# Altium PCB Urukul.PcbDoc (part 9 of 12) (continued)
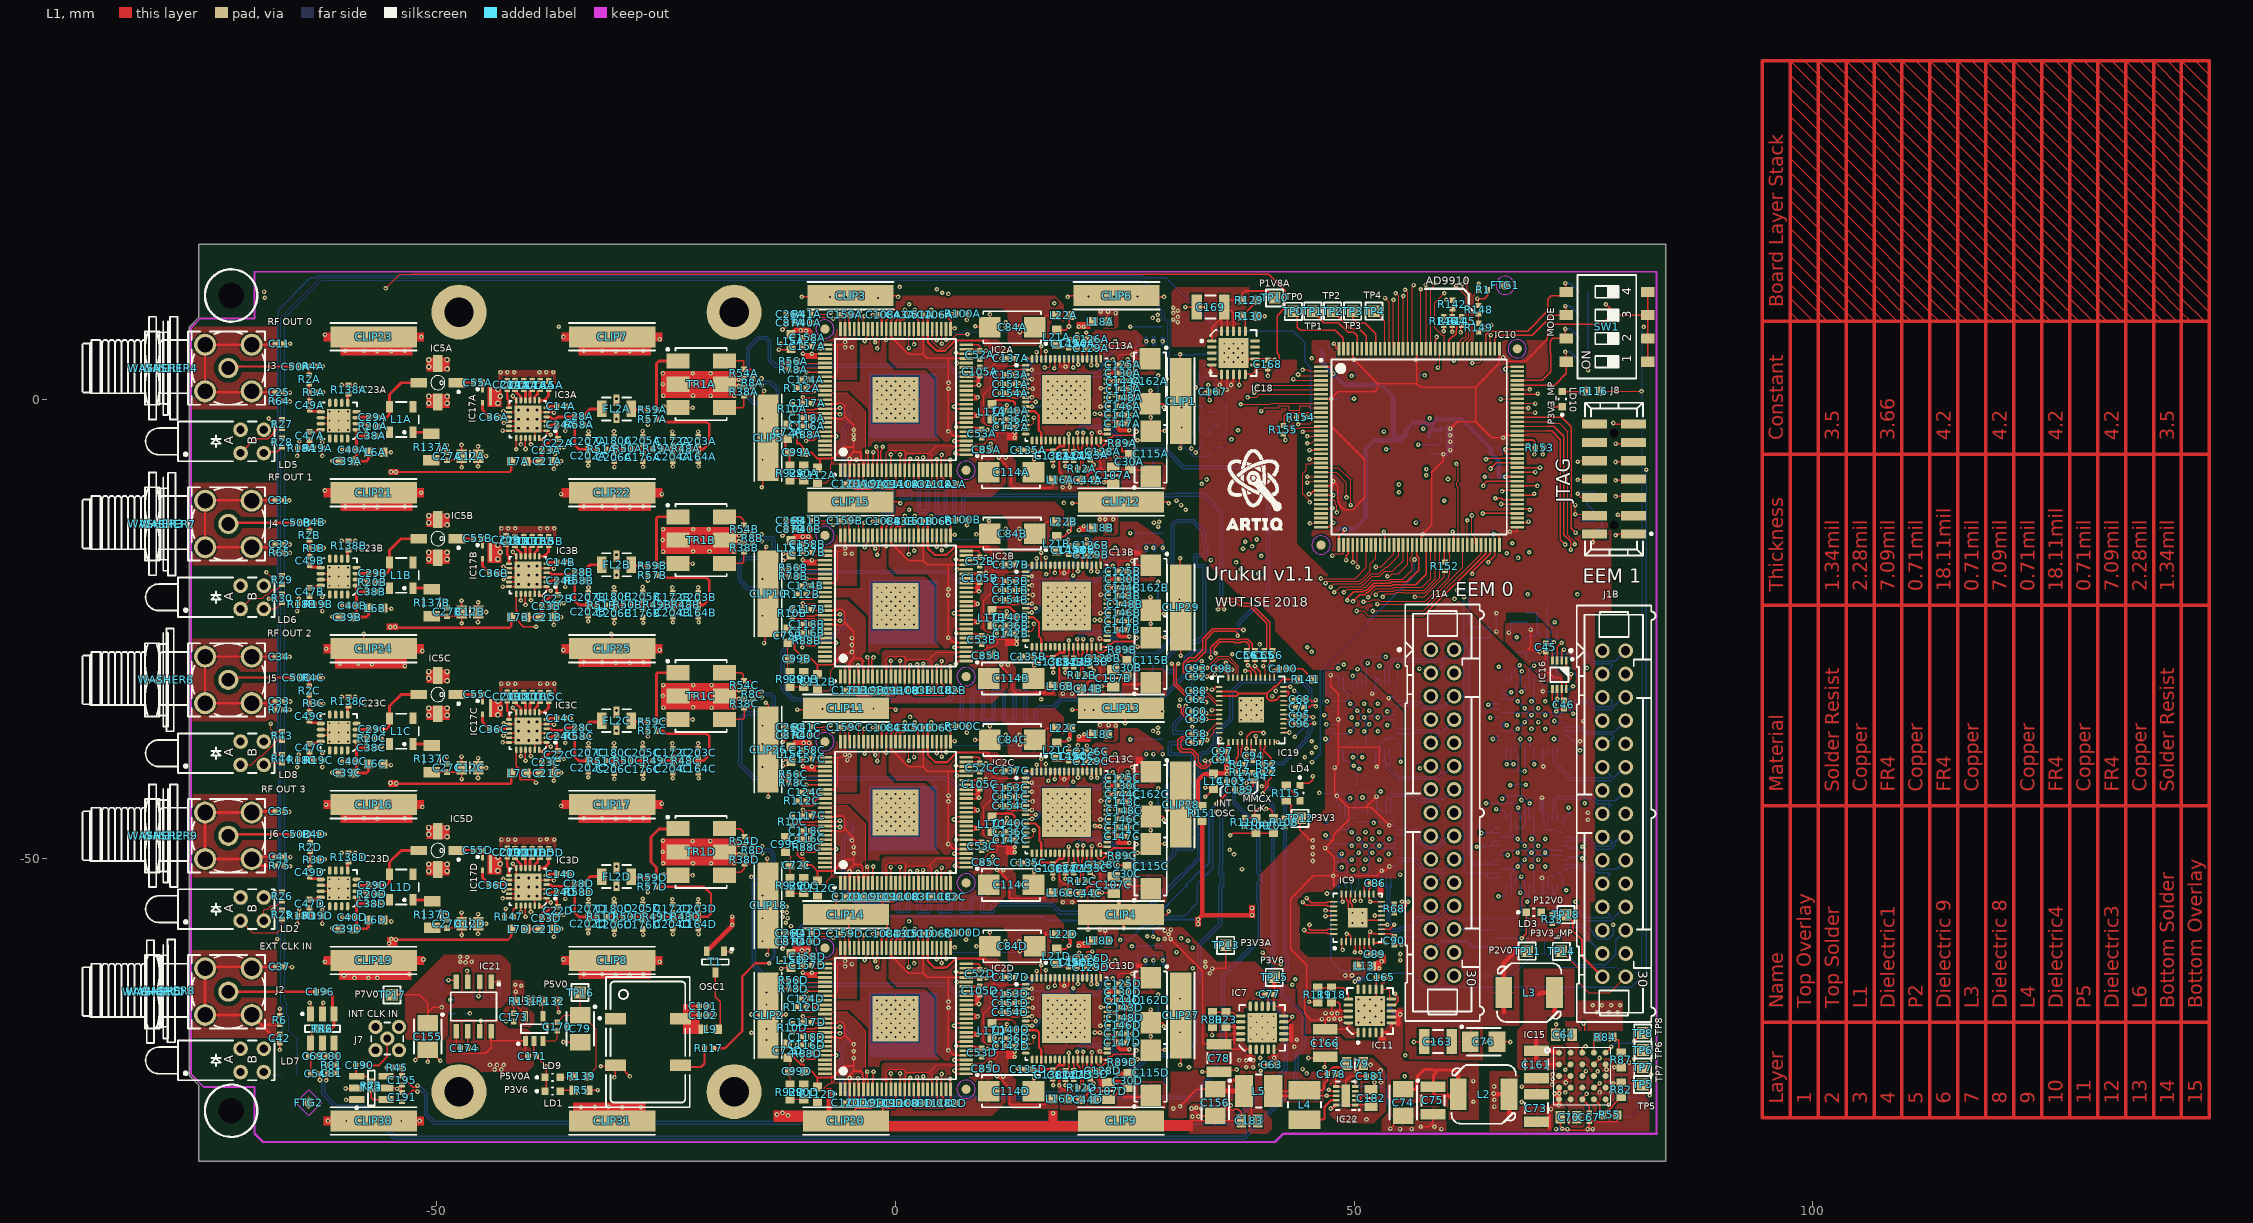
[diagram p0: L1 view]
## Nets (pads, with @x,y where several pads share a name; then routed paths per layer and width w, separated by ;. In a path a pad name is that pad's centre, name@x,y a point inside that pad or via, vN(x,y) a via of type N, cw(c..) or ccw(c..) an arc to the next point about the centre after c; other vN are vias at no path point) (continued)
  L6 w0.5: v1(50.089,-63.449) 50.381,-63.157 v1(50.508,-63.157) R150.1@51.384,-63.157
  other v1: 11.75,-73.803 11.045,-70.472 12,-59.053 27.454,-58.516 11.75,-51.303 12,-36.553 28.089,-36.113 28.623,-35.783 12.25,-28.908 11.045,-25.472 12,-14.053 28.191,-13.406 28.75,-13.303 12,-6.303 11.045,-2.972 12,8.447 30.779,8.458 30.279,8.708 28.038,8.921 30.782,9.022 28.597,9.251 30.279,9.458 30.779,9.708 30.287,10.027
P1V8D: C198.2 C199.2 C200.2 C201.2 IC10.1 IC10.37 IC10.84 IC14.5 | length 53.2
  L1 w0.254: IC10.1@46.4,3.597 47.35,3.597 47.5,3.447 47.5,3.097 v1(47.75,2.847) ; IC10.37@48.35,-15.853 48.35,-14.903 49,-14.253 v1(49,-14.153) ; v1(66.5,-8.403) IC10.84@67.8,-8.403
  L6 w0.5: C201.2@46.4,5.347 46.4,5.285 46.588,5.097 46.588,4.009 v1(47.75,2.847) 49,1.597 53,1.597 54.25,0.347 C198.2@54.25,-4.453 ; C199.2@48.35,-14.103 49,-14.103 50.05,-14.103 51.25,-12.903 51.25,-5.403 52.2,-4.453 C198.2@54.25,-4.453 ; v1(66.5,-8.403) C200.2@65.8,-8.403 65.8,-6.727 64.888,-5.815 64.888,-5.291 61.75,-2.153 59.036,-2.153 58.515,-2.674 57.995,-2.674 57.859,-2.537 56.428,-2.537 55.59,-3.375 IC14.5@55.59,-4.05 54.707,-4.05 55.11,-4.453 C198.2@54.25,-4.453
P2V0: C76.1 C163.2 C167.1 IC18.5 IC18.6 IC18.7 IC18.8 L3.2 TP11.1 | length 14.7
  L1 w0.152: v1(34.35,2.922) 34.35,3.647 IC18.5@34.5,3.797 ; C167.1@35.05,0.847 35.05,1.357 35.29,1.597 v1(35.35,1.597) 35.35,1.797 35.55,1.997 IC18.6@35.55,2.747 ; v1(36.1,1.097) 36.1,1.919 36.2,2.019 IC18.7@36.2,2.747 ; v1(36.6,1.597) 36.6,1.769 36.85,2.019 IC18.8@36.85,2.747
  L1 w0.483: 66.367,-66.822 66.325,-66.78 L3.2@66.325,-64.653 66.325,-61.428 67.6,-60.153 68.872,-60.153 TP11.1@69.025,-60.153
P3V3: C2A.2 C2B.2 C3A.2 C3B.2 C4A.2 C4B.2 C5A.2 C5B.2 C6A.2 C6B.2 C7A.2 C7B.2 C8A.2 C8B.2 C9A.2 C9B.2 C104.2 C166.2 C184.2 C185.2 C186.2 C187.2 C188.2 C192.2 C193.2 C197.2 IC1A.2 IC1A.11 IC1A.15 IC1A.16 IC1A.24 IC1A.30 IC1A.37 IC1A.45 IC1A.46 IC1B.2 IC1B.11 IC1B.15 IC1B.16 IC1B.24 IC1B.30 IC1B.37 IC1B.45 IC1B.46 IC6A.2 IC6A.11 IC6A.15 IC6A.16 IC6A.24 IC6A.30 IC6A.37 IC6A.45 IC6A.46 IC6B.2 IC6B.11 IC6B.15 IC6B.16 IC6B.24 IC6B.30 IC6B.37 IC6B.45 IC6B.46 IC10.8 IC10.27 IC10.55 IC10.73 IC10.93 IC10.109 IC10.127 IC10.141 IC11.1 IC11.18 IC11.19 IC11.20 IC14.1 IC14.3 J8.2 L8.2 L13.2 R1.1 R66.2 R67.2 R115.2 R118.2 R148.2 SW1.1 SW1.2 SW1.3 SW1.4 TP12.1 | length 296.7
  L1 w0.152: R115.2@42.6,-43.703 43.191,-44.294 43.191,-44.311 43.1,-44.403 43.1,-45.653 TP12.1@44.1,-45.653 44.1,-46.903 45.25,-48.053 v1(45.5,-48.053) ; IC10.27@46.4,-9.403 47.75,-9.403 v1(47.75,-8.903) 48.25,-9.403 48.25,-11.153 48.412,-11.315 48.412,-11.448 48.942,-11.978 49.838,-11.978 51.163,-10.653 51.163,-6.566 47.5,-2.903 v1(47.5,0.097) ; IC10.8@46.4,0.097 v1(47.5,0.097) ; v1(47.45,-30.028) 47.45,-31.253 48.261,-32.064 v1(48.261,-34.878) 48.261,-37.903 ; 47.85,-66.653 48.181,-66.653 48.435,-66.653 ; IC11.20@49.387,-67.961 49.387,-68.515 49.249,-68.653 ; IC11.19@49.387,-67.311 48.5,-67.311 v1@47.875,-67.311 ; IC11.18@49.387,-66.661 49.379,-66.653 48.435,-66.653 ; IC10.141@49.85,5.547 49.85,4.597 50,4.447 v1(50,4.347) 52.6,1.747 ; IC11.1@50.437,-69.011 49.607,-69.011 49.249,-68.653 ; v1(52.45,-43.278) 51.225,-44.503 ; v1(52.475,-40.028) 52.75,-39.753 52.75,-37.903 48.261,-37.903 ; v1(53.85,-50.903) 53.393,-51.36 v1(53,-51.36) 52.457,-51.903 v1@47.85,-51.903 ; v1(53.85,-46.403) 51.95,-44.503 51.225,-44.503 ; IC10.127@56.85,5.547 56.85,4.347 56.85,1.747 ; IC10.55@57.35,-15.853 57.35,-14.903 57.5,-14.753 v1(57.5,-14.653) 58.5,-13.653 58.5,-7.903 59.75,-6.653 v1(59.75,-5.95) ; v1(60.5,-3.153) 61.25,-2.403 63.25,-2.403 ; R148.2@63.576,10.274 63.525,10.325 63.525,11.024 64.211,11.024 64.554,11.367 R1.1@64.554,11.963 ; IC10.109@65.85,5.547 65.85,4.597 ; v1(67,-14.403) 67.75,-14.403 67.8,-14.353 IC10.73@67.8,-13.903 ; 68.7,-3.941 68.712,-3.941 68.75,-3.903 IC10.93@67.8,-3.903 66.5,-3.903 v1(66.25,-4.153) 65,-4.153 63.25,-2.403 ; v1(76.029,-15.542) 76.029,-14.849 J8.2@76.225,-14.653 ; v1(77.47,10.414) 78.033,9.851 78.033,9.212 ; SW1.1@82.03,4.132 SW1.2@82.03,6.672 82.03,7.727 82.051,7.748 82.051,9.192 SW1.3@82.03,9.212 ; SW1.4@82.03,11.752 SW1.3@82.03,9.212 ; 46.85,-67.653 47.1,-67.403 47.192,-67.311 47.25,-67.311 47.85,-67.311 v1@47.875,-67.311 ; 46.85,-67.653 46.5,-67.653 45.35,-67.653 44.622,-66.925 44.622,-65.455 44.85,-65.227 44.85,-61.653 43.1,-59.903 43.1,-54.403 45.57,-51.932 v1(47.74,-51.932) 47.74,-52.992 47.8,-53.053 47.85,-53.003 47.85,-51.932 v1@47.85,-51.903 ; 46.85,-67.653 C166.2@46.85,-68.653 49.249,-68.653 ; v1(47.5,0.097) 48.25,0.847 52.25,0.847 52.6,1.197 52.6,1.747 ; v1@47.85,-51.903 47.85,-49.903 v1(46.85,-48.903) 47.8,-47.953 47.8,-47.453 49.425,-45.828 49.425,-44.503 ; v1@47.875,-67.311 47.55,-66.986 47.55,-66.898 R118.2@47.55,-65.703 48.273,-65.703 48.435,-65.864 48.435,-66.653 ; 48.261,-37.903 48.261,-39.742 v1(47.875,-40.128) 47.875,-42.953 v1(48.125,-43.203) 49.425,-44.503 ; 49.425,-44.503 51.225,-44.503 ; 52.6,1.747 56.85,1.747 ; 56.85,1.747 57.25,1.347 63.25,1.347 ; 63.25,-2.403 63.25,1.347 ; 63.25,1.347 65.85,3.947 65.85,4.597 ; 65.85,4.597 v1(66.25,4.597) 66.639,4.208 68.707,4.208 71.086,6.586 71.086,7.515 71.779,8.208 77.029,8.208 78.033,9.212 ; 78.033,9.212 SW1.3@82.03,9.212
  L3 w0.152: v1(63.449,11.024) 76.86,11.024 v1(77.47,10.414)
  L6 w0.127: 52.5,-52.803 52.8,-52.803 53,-52.603 IC6A.15@53,-52.103 v1(53,-51.36) ; v1(64.875,-34.678) 64.9,-34.653 IC1B.30@65.9,-34.653 ; v1(65.775,-29.128) 66.363,-29.715 66.6,-29.953 IC1B.37@66.6,-30.953 ; C4A.2@70.5,-29.753 70.5,-30.263 ; IC1B.46@71.1,-30.953 71.1,-30.453 70.91,-30.263 70.5,-30.263 ; IC1B.2@72.8,-32.153 72.05,-32.153 71.7,-31.803 v1(70.6,-31.803) IC1B.45@70.6,-30.953 70.5,-30.853 70.5,-30.263
  L6 w0.152: v1(46.85,-48.903) IC6A.30@47.8,-48.903 ; v1(47.45,-30.028) C4B.2@48.05,-30.028 48.35,-30.328 IC1A.37@48.35,-31.203 ; v1(47.5,0.097) C193.2@48.4,0.097 ; v1(47.74,-51.932) 47.74,-52.642 C2B.2@48.35,-53.253 48.35,-52.253 IC6A.24@48.5,-52.103 ; v1(47.75,-8.903) 48,-9.153 48.05,-9.153 C187.2@48.35,-9.453 ; v1(47.875,-40.128) 48.35,-39.653 48.35,-39.278 IC1A.24@48.35,-38.103 ; v1(48.125,-43.203) 48.125,-43.903 C3B.2@48.225,-44.003 ; C3B.2@48.475,-44.003 48.5,-44.028 IC6A.37@48.5,-45.203 ; v1(50,4.347) 50,3.847 50.05,3.847 C192.2@50.35,3.547 ; v1(51.98,-32.055) 52.007,-32.028 52.007,-31.881 52.35,-31.537 IC1A.45@52.35,-31.203 C3A.2@52.35,-30.178 ; C3A.2@52.275,-29.978 52.275,-30.103 C3A.2@52.35,-30.178 ; C7A.2@52.325,-53.303 52.5,-53.128 52.5,-52.803 IC6A.16@52.5,-52.103 ; IC1A.16@52.35,-38.103 52.35,-38.803 ; v1(52.45,-43.278) 52.5,-43.328 52.5,-44.003 52.5,-44.678 ; v1(52.475,-40.028) 52.35,-39.903 52.35,-38.803 ; IC6A.45@52.5,-45.203 52.5,-44.678 ; IC1A.46@52.85,-31.203 52.85,-30.678 C3A.2@52.35,-30.178 ; IC6A.46@53,-45.203 53,-44.928 52.75,-44.678 52.5,-44.678 ; v1(53.778,-32.542) 53.748,-32.542 53.763,-32.527 53.888,-32.403 IC1A.2@54.55,-32.403 ; v1(53.85,-50.903) IC6A.11@54.7,-50.903 ; v1(53.85,-46.403) IC6A.2@54.7,-46.403 ; IC1A.11@54.55,-36.903 53.55,-36.903 53.175,-37.278 53,-37.278 52.85,-37.428 IC1A.15@52.85,-38.103 52.85,-38.578 52.625,-38.803 52.35,-38.803 ; v1(56.75,4.347) 56.75,3.647 C188.2@56.85,3.547 ; C104.2@57.426,-14.008 57.5,-14.082 v1(57.5,-14.653) ; IC14.3@58.19,-5.95 v1(59.75,-5.95) ; C197.2@59.5,-3.203 59.55,-3.153 v1(60.5,-3.153) ; v1(65.5,-44.653) 65.625,-44.778 C6A.2@66.25,-44.778 66.6,-45.128 IC6B.37@66.6,-45.953 ; v1(65.529,-25.292) 65.487,-25.25 L8.2@65.487,-24.294 65.487,-23.334 v1(65.529,-23.292) ; C186.2@65.6,-4.203 66.2,-4.203 v1(66.25,-4.153) ; v1(65.75,-54.153) 66.225,-54.153 C7B.2@66.35,-54.028 66.6,-53.778 IC6B.24@66.6,-52.853 ; C184.2@65.85,4.047 65.85,4.197 v1(66.25,4.597) ; IC6B.30@65.9,-49.653 v1(66.75,-49.653) ; C185.2@66.05,-13.903 66.128,-13.981 66.49,-14.343 67,-14.343 v1(67,-14.403) ; IC1B.24@66.6,-37.853 66.6,-39.053 66.6,-39.71 v1(66.64,-39.75) ; C8B.2@70.475,-54.078 C8B.2@70.6,-53.953 ; C6B.2@70.475,-44.778 71.1,-45.403 IC6B.46@71.1,-45.953 ; v1@70.475,-43.428 v1(70.5,-43.403) ; v1(70.5,-52.153) 70.5,-52.103 70.6,-52.003 70.6,-52.153 IC6B.16@70.6,-52.853 C8B.2@70.6,-53.953 ; C6B.2@70.6,-45.003 IC6B.45@70.6,-45.953 70.75,-46.103 70.75,-46.653 71,-46.903 72,-46.903 72.138,-47.04 72.138,-47.153 IC6B.2@72.8,-47.153 ; IC1B.16@70.6,-37.853 70.6,-38.593 ; v1(70.64,-40) 70.55,-39.91 C2A.2@70.55,-39.053 70.6,-39.003 70.6,-38.593 ; IC1B.15@71.1,-37.853 71.1,-38.46 70.912,-38.648 70.912,-38.728 70.735,-38.728 70.6,-38.593 ; IC6B.11@72.8,-51.653 72.138,-51.653 71.888,-51.903 71.25,-51.903 71.1,-52.053 IC6B.15@71.1,-52.853 71.1,-53.453 C8B.2@70.6,-53.953 ; IC1B.11@72.8,-36.653 73.293,-36.653 73.89,-37.25 73.975,-37.25 v1(74.64,-37.25) ; R67.2@75.38,-10.653 75.38,-11.393 76.651,-12.665 76.754,-12.665 77.029,-12.939 77.029,-13.823 76.86,-13.992 76.86,-14.123 R66.2@76.35,-14.123 75.919,-14.554 76.029,-14.664 v1(76.029,-15.542)
  L6 w0.483: C6B.2@70.475,-44.778 v1@70.475,-43.428
  L6 w0.5: IC14.1@58.19,-4.05 58.19,-3.55 58.439,-3.301 59.402,-3.301 C197.2@59.5,-3.203 ; v1(59.75,-5.95) 60.047,-5.95 v1(60.5,-5.497) v1(60.5,-4.567) 60.5,-3.881 v1(60.5,-3.153)
  other v1: 46.5,-67.553 47.25,-67.553 48.5,-67.553 47.85,-67.508 48.181,-66.924 46.885,-66.898 47.571,-66.898 49.029,-62.792 49.779,-62.792 45.5,-50.303 45.5,-49.553 45.5,-48.803 75.5,-45.803 75.5,-45.053 75,-35.053 60.474,-3.881
P3V3_CLK1: C86.2 C89.2 C90.2 IC9.1 IC9.7 IC9.9 IC9.13 IC9.16 IC9.18 IC9.19 L13.1 R150.2 | length 16.6
  L1 w0.152: IC9.1@48.64,-59.1 48.64,-59.89 v1(48.75,-60) ; IC9.19@51.14,-53.9 51.14,-52.86 51.255,-52.745 C86.2@51.836,-52.745 51.836,-53.255 51.677,-53.255 51.64,-53.292 IC9.18@51.64,-53.9 51.64,-54.508 51.75,-54.618 v1(51.75,-54.75) IC9.16@52.99,-54.75 ; L13.1@51.94,-61.75 52,-61.75 52.5,-61.25 v1(53,-61.25) ; v1(52.25,-56.25) IC9.13@52.99,-56.25 ; v1(52.75,-62) 52.75,-61.5 v1(53,-61.25) ; 53.5,-58.25 53.598,-58.25 ; C90.2@54.39,-58.55 54.09,-58.25 53.598,-58.25 ; v1(53,-61.25) 53.25,-61 53.25,-60.493 53.235,-60.478 C89.2@52.725,-60.478 52.725,-60.471 52.219,-59.965 51.896,-59.965 51.64,-59.708 IC9.7@51.64,-59.1 51.64,-58.11 v1(51.75,-58) 52,-58.25 IC9.9@52.99,-58.25 53.598,-58.25
P3V3_CLK2: C13.2 C45.2 C46.2 IC4.7 IC16.7 L8.1 R36.2 | length 17.4
  L1 w0.152: v1(69.25,-25.078) 69.25,-26.94 68.94,-27.25 70.01,-27.25 v1(70.263,-27.503) C45.2@70.837,-27.503 ; C45.2@70.89,-27.45 C45.2@70.837,-27.503 ; C46.2@72.89,-32.8 72.64,-32.55 IC16.7@72.64,-31.55 72.64,-30.538 72.405,-30.303 71.825,-30.303 71.3,-29.778 71.075,-29.778 70.837,-29.54 C45.2@70.837,-27.503
  L6 w0.152: v1(66.887,-25.394) 67.087,-25.194 L8.1@67.087,-24.294 68.654,-24.294 R36.2@68.75,-24.198 69.25,-24.698 v1(69.25,-25.078) ; C13.2@69.6,-27.503 v1(70.263,-27.503) 70.925,-27.503 71.05,-27.628 IC4.7@71.05,-28.603
P3V3_DAC_VDDA: C124A.2 C125A.2 C126A.2 C129A.2 C130A.2 C157A.2 C158A.2 C159A.2 C162A.1 IC2A.74 IC2A.75 IC2A.76 IC2A.77 IC2A.83 IC13A.46 IC13A.47 IC13A.49 L15A.1 R96A.2 R97A.2 R98A.2 R99A.2 | length 65.5
  L1 w0.127: L15A.1@-11.4,7.147 -10.998,7.549 -10.975,7.572 -10.35,7.572 -9.75,7.572 -9.525,7.572 -9.502,7.549 -9.249,7.296 -9.213,7.26 -9.2,7.26 -9.2,6.762 C158A.2@-9.2,6.75 C157A.2@-9.2,5.85 ; C124A.2@-9.33,2.197 -9.027,2.5 IC2A.83@-7.7,2.5 -6.75,2.5 -6.275,2.975 -6.275,5.925 -6.2,6 ; IC2A.77@-7.7,5.5 -8.803,5.5 -9.153,5.85 C157A.2@-9.2,5.85 ; IC2A.75@-6,7.7 -6,9.25 C159A.2@-5.975,9.275 -5.971,9.275 -5.5,8.804 IC2A.74@-5.5,7.7 v1(-5.5,6.297) -5.797,6 -6.2,6 ; C126A.2@21.74,6.6 C129A.2@21.74,5.597 21.965,5.372 22.3,5.372 ; v1@22.357,5.776 22.357,5.43 22.3,5.372 ; IC13A.49@22.39,4.45 22.35,4.49 22.35,5.322 22.3,5.372 ; v1@22.466,5.884 24.141,5.884 24.329,6.072 25.549,6.072 26.251,5.37 26.897,5.37 27.784,4.484 27.82,4.447 27.75,4.447 26.283,4.447 25.813,4.917 25.777,4.953 24.492,4.953 24.34,4.801 C125A.2@24.34,3.797 23.89,3.347 ; IC13A.46@23.09,2.75 23.727,2.75 23.75,2.773 23.75,2.897 C130A.2@24.34,2.897 23.89,3.347 ; IC13A.47@23.09,3.25 23.79,3.25 23.889,3.349 23.89,3.347 ; C157A.2@-9.2,5.85 -9.05,6 IC2A.76@-7.7,6 -6.2,6
  L1 w0.483: L15A.1@-10.998,7.549 v1(-10.35,7.549) -9.75,7.549 -9.502,7.549 -9.427,7.549 -9.249,7.371 -9.249,7.296 -9.249,6.762 -9.2,6.762 C158A.2@-8.919,6.762
  L6 w0.127: v1(-5.5,6.297) -4.361,7.436 6.128,7.436 6.257,7.307 7.352,7.307 7.652,7.607 8.038,7.607 8.237,7.408 12.944,7.408 ; 20.599,6.84 20.649,6.84 20.682,6.807 21.543,6.807 v1(22.438,5.912) ; v1(25.803,4.907) R97A.2@26.425,4.907 27.327,4.907 28.216,4.907 R98A.2@29.125,4.907
  other v1: -5.5,5.697 -4.75,5.697 22.433,6.447 -9.75,7.522
P3V3_DAC_VDDB: C124B.2 C125B.2 C126B.2 C129B.2 C130B.2 C157B.2 C158B.2 C159B.2 C162B.1 IC2B.74 IC2B.75 IC2B.76 IC2B.77 IC2B.83 IC13B.46 IC13B.47 IC13B.49 L15B.1 R96B.2 R97B.2 R98B.2 R99B.2 | length 71.6
  L1 w0.127: C124B.2@-9.33,-20.303 -9.027,-20 IC2B.83@-7.7,-20 -6.75,-20 -6.275,-19.525 -6.275,-16.575 -6.2,-16.5 ; C158B.2@-9.213,-15.812 -9.213,-15.75 C158B.2@-9.213,-15.497 ; C158B.2@-9.2,-15.75 C157B.2@-9.2,-16.65 ; IC2B.77@-7.7,-17 -8.803,-17 -9.153,-16.65 C157B.2@-9.2,-16.65 ; IC2B.75@-6,-14.8 -6,-13.25 C159B.2@-5.975,-13.225 -5.975,-13.328 -5.5,-13.803 IC2B.74@-5.5,-14.8 v1(-5.5,-16.203) -5.797,-16.5 -6.2,-16.5 ; C126B.2@21.74,-15.9 C129B.2@21.74,-16.903 21.965,-17.128 22.3,-17.128 ; IC13B.49@22.39,-18.05 22.35,-18.01 22.35,-17.178 22.3,-17.128 ; IC13B.46@23.09,-19.75 23.727,-19.75 23.75,-19.727 23.75,-19.603 C130B.2@24.34,-19.603 23.89,-19.153 ; IC13B.47@23.09,-19.25 23.79,-19.25 23.889,-19.151 23.89,-19.153 ; C157B.2@-9.2,-16.65 -9.05,-16.5 IC2B.76@-7.7,-16.5 -6.2,-16.5 ; 22.3,-17.128 v1(22.812,-16.615) 24.141,-16.615 24.329,-16.428 26.195,-16.428 C162B.1@27.82,-18.053 26.283,-18.053 25.813,-17.582 25.777,-17.547 24.492,-17.547 24.34,-17.699 C125B.2@24.34,-18.703 23.89,-19.153
  L1 w0.483: L15B.1@-11.4,-15.353 -10.975,-14.928 v1(-10.1,-14.928) v1(-9.525,-14.928) -9.213,-15.24 -9.2,-15.24 C158B.2@-9.2,-15.75
  L6 w0.127: v1(-5.5,-16.203) -4.416,-15.119 6.183,-15.119 6.257,-15.193 12.843,-15.193 13.367,-14.668 13.753,-14.668 13.907,-14.823 20.622,-14.823 20.682,-14.762 21.068,-14.762 21.341,-15.035 21.341,-15.144 v1(22.812,-16.615) ; v1(25.803,-17.593) 26.413,-17.593 27.327,-17.593 28.242,-17.593 R98B.2@29.125,-17.593
  other v1: -5.5,-16.803 -4.75,-16.803 22.878,-16.005
P3V3_DAC_VDDC: C124C.2 C125C.2 C126C.2 C129C.2 C130C.2 C157C.2 C158C.2 C159C.2 C162C.1 IC2C.74 IC2C.75 IC2C.76 IC2C.77 IC2C.83 IC13C.46 IC13C.47 IC13C.49 L15C.1 R96C.2 R97C.2 R98C.2 R99C.2 | length 70.9
  L1 w0.127: C124C.2@-9.33,-42.803 -9.027,-42.5 IC2C.83@-7.7,-42.5 -6.75,-42.5 -6.275,-42.025 -6.275,-39.075 -6.2,-39 ; C158C.2@-9.2,-38.25 C157C.2@-9.2,-39.15 ; IC2C.77@-7.7,-39.5 -8.803,-39.5 -9.153,-39.15 C157C.2@-9.2,-39.15 ; IC2C.75@-6,-37.3 -6,-35.75 C159C.2@-5.975,-35.725 -5.975,-35.828 -5.5,-36.303 IC2C.74@-5.5,-37.3 v1(-5.5,-38.703) -5.797,-39 -6.2,-39 ; C126C.2@21.74,-38.4 C129C.2@21.74,-39.403 21.965,-39.628 22.3,-39.628 ; IC13C.49@22.39,-40.55 22.35,-40.51 22.35,-39.678 22.3,-39.628 ; v1@22.812,-39.115 22.3,-39.628 ; v1@22.878,-39.115 24.141,-39.115 24.329,-38.928 26.195,-38.928 C162C.1@27.82,-40.553 26.283,-40.553 25.813,-40.083 25.777,-40.047 24.492,-40.047 24.34,-40.199 C125C.2@24.34,-41.203 23.89,-41.653 ; IC13C.46@23.09,-42.25 23.727,-42.25 23.75,-42.227 23.75,-42.103 C130C.2@24.34,-42.103 23.89,-41.653 ; IC13C.47@23.09,-41.75 23.79,-41.75 23.889,-41.651 23.89,-41.653 ; C157C.2@-9.2,-39.15 -9.05,-39 IC2C.76@-7.7,-39 -6.2,-39
  L1 w0.483: L15C.1@-11.4,-37.853 -10.982,-37.434 -10.025,-37.434 v1(-9.427,-37.434) -9.223,-37.637 C158C.2@-9.223,-38.095
  L6 w0.127: v1(-5.5,-38.703) -4.497,-37.7 12.967,-37.7 13.367,-38.099 13.753,-38.099 14.153,-37.7 17.307,-37.7 18.274,-38.667 21.347,-38.667 21.854,-39.173 v1(22.878,-39.173) ; v1(25.803,-40.093) 26.413,-40.093 27.327,-40.093 28.242,-40.093 R98C.2@29.125,-40.093
  other v1: -5.25,-39.303 -5,-38.803 22.822,-38.553 -10.025,-37.428
P3V3_DAC_VDDD: C124D.2 C125D.2 C126D.2 C129D.2 C130D.2 C157D.2 C158D.2 C159D.2 C162D.1 IC2D.74 IC2D.75 IC2D.76 IC2D.77 IC2D.83 IC13D.46 IC13D.47 IC13D.49 L15D.1 R96D.2 R97D.2 R98D.2 R99D.2 | length 73
  L1 w0.127: L15D.1@-11.4,-60.353 -11.11,-60.063 -10.975,-59.928 -10.2,-59.928 -9.582,-59.928 -9.525,-59.928 -9.486,-59.967 -9.213,-60.24 -9.2,-60.24 -9.2,-60.65 C158D.2@-9.2,-60.75 C157D.2@-9.2,-61.65 ; C124D.2@-9.33,-65.303 -9.027,-65 IC2D.83@-7.7,-65 -6.75,-65 -6.275,-64.525 -6.275,-61.575 -6.2,-61.5 ; IC2D.77@-7.7,-62 -8.803,-62 -9.153,-61.65 C157D.2@-9.2,-61.65 ; IC2D.75@-6,-59.8 -6,-58.25 C159D.2@-5.975,-58.225 -5.975,-58.328 -5.5,-58.803 IC2D.74@-5.5,-59.8 v1(-5.5,-61.203) -5.797,-61.5 -6.2,-61.5 ; C126D.2@21.74,-60.9 C129D.2@21.74,-61.903 21.965,-62.128 22.3,-62.128 ; IC13D.49@22.39,-63.05 22.35,-63.01 22.35,-62.178 22.3,-62.128 ; IC13D.46@23.09,-64.75 23.727,-64.75 23.75,-64.727 23.75,-64.603 C130D.2@24.34,-64.603 23.89,-64.153 ; IC13D.47@23.09,-64.25 23.793,-64.25 23.89,-64.153 ; C157D.2@-9.2,-61.65 -9.05,-61.5 IC2D.76@-7.7,-61.5 -6.2,-61.5 ; 22.3,-62.128 v1(22.812,-61.616) 24.141,-61.616 24.329,-61.428 26.195,-61.428 C162D.1@27.82,-63.053 26.283,-63.053 25.813,-62.583 25.777,-62.547 24.492,-62.547 24.34,-62.699 C125D.2@24.34,-63.703 23.89,-64.153
  L1 w0.5: L15D.1@-11.11,-60.063 -10.2,-60.063 v1(-9.582,-60.063) -9.405,-60.24 ; C158D.2@-9.249,-60.65 -9.2,-60.65 -8.995,-60.65 C158D.2@-8.919,-60.726
  L6 w0.127: v1(-5.5,-61.203) -4.578,-60.28 13.048,-60.28 13.367,-60.6 13.753,-60.6 14.072,-60.28 18.857,-60.28 19.629,-61.053 22.249,-61.053 v1(22.812,-61.616) ; v1(25.803,-62.593) 26.413,-62.593 27.327,-62.593 28.216,-62.593 R98D.2@29.125,-62.593
  other v1: -5.5,-61.803 -4.75,-61.553 23.2,-61.228 -10.2,-60.053
P3V3_DRVA: C85A.2 C105A.2 C106A.2 C108A.2 C109A.2 C110A.2 C111A.2 C114A.1 C137A.2 C141A.2 C142A.2 IC2A.11 IC2A.15 IC2A.21 IC2A.28 IC2A.45 IC2A.56 IC2A.66 IC13A.1 IC13A.14 IC13A.37 L18A.1 | length 86.8
  L1 w0.127: v1(-2.467,9.246) v1(-2.467,9.246) C108A.2@-1.725,9.247 ; C109A.2@-0.6,-9.225 -0.875,-8.95 -0.875,-8.749 -1,-8.624 IC2A.11@-1,-7.7 -1,-5.801 -0.698,-5.499 0.897,-5.499 1.111,-5.714 1.111,-5.953 ; C110A.2@1.2,-9.225 1.025,-9.05 1.025,-7.725 IC2A.15@1,-7.7 1.111,-7.589 1.111,-5.953 ; v1(3.883,9.804) 3.9,9.787 C106A.2@3.9,9.247 ; C111A.2@3.9,-9.2 4,-9.1 IC2A.21@4,-7.7 4,-6.128 3.697,-5.824 ; IC2A.45@7.7,3.5 C105A.2@9.175,3.5 9.753,3.5 9.85,3.597 10.425,3.597 ; 9.427,-4.929 9.427,-4.926 9.574,-4.926 10.159,-4.341 10.566,-4.341 10.689,-4.464 10.696,-4.464 11.15,-4.01 11.15,-3.603 ; 9.95,6.447 10.7,5.697 10.7,3.872 ; C114A.1@10.145,-7.899 9.427,-7.182 C85A.2@9.427,-5.436 8.867,-5.436 8.695,-5.264 8.811,-5.149 8.811,-5 IC2A.28@7.7,-5 7.684,-5.016 4.68,-5.016 4.665,-5 4.521,-5 3.697,-5.824 ; C137A.2@13,4.522 13,3.897 ; IC13A.1@14.19,3.75 13.097,3.75 13,3.847 13,3.897 ; v1(15.084,-1.956) 15.084,-2.489 14.827,-2.746 14.827,-2.75 IC13A.14@14.19,-2.75 13.087,-2.75 12.994,-2.843 C142A.2@12.994,-2.997 12.994,-3.599 v1(12.99,-3.603) 11.15,-3.603 ; 22.453,-1.75 IC13A.37@23.09,-1.75 24.243,-1.75 24.32,-1.673 C141A.2@24.34,-1.653 ; 1.111,-5.953 1.24,-5.824 3.697,-5.824 ; 10.425,3.597 10.425,1.437 9.598,0.61 9.598,-2.461 9.931,-2.794 10.341,-2.794 10.58,-3.032 10.58,-3.165 11.018,-3.603 11.15,-3.603 ; 10.425,3.597 10.7,3.872 ; 10.7,3.872 10.85,3.722 12.825,3.722 13,3.897
  L1 w0.203: v1(20.529,7.958) 20.798,7.958 20.864,7.893 20.932,7.893 L18A.1@21.548,8.509 ; v1(22.298,-1.524) 22.38,-1.524 22.577,-1.722 22.908,-1.722 IC13A.37@22.933,-1.747
  L1 w0.254: v1(-2.467,9.246) -1.727,9.246 C108A.2@-1.725,9.247 -1.5,9.022 IC2A.66@-1.5,7.7 ; C106A.2@3.66,8.977 3.645,8.992 3.59,9.048 3.553,9.048 3.539,9.034 3.539,8.832 3.506,8.799 3.512,8.793 3.512,7.712 IC2A.56@3.5,7.7 3.5,6.292 4.464,5.328 5.376,5.328 6.289,6.241 6.289,6.259 6.478,6.447 9.95,6.447
  L3 w0.203: v1@20.52,7.879 20.313,7.672 20.313,6.523 20.354,6.482 20.354,4.134 20.439,4.048 20.439,3.631 20.354,3.546 20.354,3.383 21.279,2.458 21.279,-0.505 v1(22.298,-1.524)
  L4 w0.406: v1(-2.467,9.246) -2.464,9.242 3.32,9.242 v1(3.883,9.804)
  other v1: 13,-4.153 21.714,-1.544 20,7.947
P3V3_DRVB: C85B.2 C105B.2 C106B.2 C108B.2 C109B.2 C110B.2 C111B.2 C114B.1 C137B.2 C141B.2 C142B.2 IC2B.11 IC2B.15 IC2B.21 IC2B.28 IC2B.45 IC2B.56 IC2B.66 IC13B.1 IC13B.14 IC13B.37 L18B.1 | length 86.2
  L1 w0.127: v1(-2.467,-13.254) -2.466,-13.253 v1@-2.34,-13.253 ; C109B.2@-0.6,-31.725 -0.875,-31.45 -0.875,-31.33 -1,-31.205 IC2B.11@-1,-30.2 -1,-28.301 -0.698,-27.999 0.897,-27.999 1.111,-28.214 1.111,-28.453 ; C110B.2@1.2,-31.725 1.025,-31.55 1.025,-30.225 IC2B.15@1,-30.2 1.111,-30.089 1.111,-28.453 ; v1(3.883,-12.696) 3.9,-12.713 C106B.2@3.9,-13.253 ; C111B.2@3.9,-31.7 4,-31.6 IC2B.21@4,-30.2 4,-28.628 3.697,-28.324 ; IC2B.45@7.7,-19 C105B.2@9.175,-19 9.753,-19 v1(9.85,-18.903) 10.425,-18.903 ; 10.063,-16.166 10.7,-16.803 10.7,-18.628 ; C114B.1@10.145,-30.399 9.427,-29.682 C85B.2@9.427,-27.936 9.427,-27.426 ; C137B.2@13,-17.978 13,-18.603 ; v1(13.225,-26.103) v1@12.99,-26.103 ; IC13B.1@14.19,-18.75 13.097,-18.75 13,-18.653 13,-18.603 ; v1(15.084,-24.456) 15.084,-24.989 14.827,-25.246 14.827,-25.25 IC13B.14@14.19,-25.25 13.087,-25.25 12.994,-25.343 C142B.2@12.994,-25.497 12.994,-26.099 v1@12.99,-26.103 ; 22.453,-24.25 IC13B.37@23.09,-24.25 24.243,-24.25 24.32,-24.173 C141B.2@24.34,-24.153 ; 1.111,-28.453 1.24,-28.324 3.697,-28.324 ; 3.697,-28.324 4.521,-27.5 4.665,-27.5 4.68,-27.516 7.684,-27.516 IC2B.28@7.7,-27.5 8.96,-27.5 8.885,-27.426 9.427,-27.426 ; 9.427,-27.426 9.574,-27.426 9.99,-27.01 10.65,-27.01 11.15,-26.51 11.15,-26.103 ; 10.425,-18.903 10.7,-18.628 ; 10.425,-18.903 10.425,-21.063 9.598,-21.89 9.598,-24.961 9.931,-25.294 10.341,-25.294 10.58,-25.532 10.58,-25.665 11.018,-26.103 11.15,-26.103 ; 10.7,-18.628 10.85,-18.778 12.825,-18.778 13,-18.603 ; 11.15,-26.103 v1@12.99,-26.103
  L1 w0.203: v1(20.528,-13.792) 21.247,-13.792 21.497,-14.042 L18B.1@21.548,-13.991
  L1 w0.254: v1@-2.34,-13.253 C108B.2@-1.725,-13.253 -1.5,-13.478 IC2B.66@-1.5,-14.8 ; C106B.2@3.9,-13.253 3.7,-13.453 3.7,-13.513 3.5,-13.713 IC2B.56@3.5,-14.8 3.5,-16.164 4.268,-16.932 5.259,-16.932 5.285,-16.906 5.597,-16.906 6.45,-16.053 10.137,-16.053 10.157,-16.073
  L3 w0.203: 20.529,-14.042 20.529,-14.687 20.251,-14.965 20.251,-17.514 20.779,-18.042 20.779,-19.292 21.529,-20.042 21.529,-23.524 21.871,-23.866 22.029,-24.024 v1(22.298,-24.024)
  L4 w0.406: v1(-2.467,-13.254) -2.464,-13.258 3.32,-13.258 v1(3.883,-12.696)
  other v1: 13.205,-26.639 21.714,-24.023 20,-14.228
P3V3_DRVC: C85C.2 C105C.2 C106C.2 C108C.2 C109C.2 C110C.2 C111C.2 C114C.1 C137C.2 C141C.2 C142C.2 IC2C.11 IC2C.15 IC2C.21 IC2C.28 IC2C.45 IC2C.56 IC2C.66 IC13C.1 IC13C.14 IC13C.37 L18C.1 | length 87.9
  L1 w0.127: v1(-2.467,-35.754) -2.466,-35.753 C108C.2@-1.725,-35.753 ; C109C.2@-0.6,-54.225 -0.994,-53.831 -0.994,-53.432 -1,-53.426 IC2C.11@-1,-52.7 -1,-50.801 -0.698,-50.499 0.897,-50.499 1.111,-50.714 1.111,-50.953 ; C110C.2@1.2,-54.225 1.025,-54.05 1.025,-52.725 IC2C.15@1,-52.7 1.111,-52.589 1.111,-50.953 ; v1(3.883,-35.196) 3.9,-35.213 C106C.2@3.9,-35.753 ; C111C.2@3.9,-54.2 4,-54.1 IC2C.21@4,-52.7 4,-51.128 3.697,-50.824 ; IC2C.45@7.7,-41.5 C105C.2@9.175,-41.5 9.753,-41.5 v1(9.85,-41.403) 10.425,-41.403 ; 10.104,-38.706 10.7,-39.303 10.7,-41.128 ; C114C.1@10.145,-52.899 9.427,-52.182 C85C.2@9.427,-50.436 ; 11.15,-48.603 11.018,-48.603 10.58,-48.165 10.58,-48.032 10.341,-47.794 9.931,-47.794 9.598,-47.461 9.598,-44.39 10.425,-43.563 10.425,-41.403 ; v1(13,-48.803) 12.127,-48.803 12.036,-48.712 ; C137C.2@13,-40.478 13,-41.103 ; IC13C.1@14.19,-41.25 13.097,-41.25 13,-41.153 13,-41.103 ; v1(15.084,-46.956) 15.084,-47.489 14.827,-47.746 14.827,-47.75 IC13C.14@14.19,-47.75 13.087,-47.75 12.994,-47.843 C142C.2@12.994,-47.997 12.994,-48.599 12.881,-48.712 12.036,-48.712 ; v1(20.58,-36.491) L18C.1@21.548,-36.491 ; 22.453,-46.75 IC13C.37@23.09,-46.75 24.243,-46.75 C141C.2@24.34,-46.653 ; 1.111,-50.953 1.24,-50.824 3.697,-50.824 ; 3.697,-50.824 4.521,-50 4.665,-50 4.68,-50.016 7.684,-50.016 IC2C.28@7.7,-50 8.96,-50 8.976,-49.984 C85C.2@9.427,-50.436 ; C85C.2@9.427,-50.436 9.427,-49.926 9.705,-49.926 10.281,-49.35 10.81,-49.35 11.15,-49.01 11.15,-48.712 12.036,-48.712 ; 10.425,-41.403 10.7,-41.128 ; 10.7,-41.128 10.85,-41.278 12.825,-41.278 13,-41.103
  L1 w0.254: v1(-2.467,-35.754) -1.727,-35.754 C108C.2@-1.725,-35.753 -1.5,-35.978 IC2C.66@-1.5,-37.3 ; C106C.2@3.9,-35.753 3.9,-35.91 3.5,-36.31 IC2C.56@3.5,-37.3 3.5,-38.713 4.329,-39.542 5.61,-39.542 6.677,-38.476 8.984,-38.476 8.99,-38.482 10.036,-38.482 10.182,-38.628
  L3 w0.127: v1(20.58,-36.491) 20.58,-36.774 21.341,-37.535 21.341,-40.554 20.859,-41.035 20.859,-41.42 21.529,-42.09 21.529,-46.042 22.011,-46.524 v1(22.298,-46.524)
  L4 w0.406: v1(-2.467,-35.754) -2.464,-35.758 3.32,-35.758 v1(3.883,-35.196)
  other v1: 13,-49.353 21.725,-46.478 20.02,-36.708
P3V3_DRVD: C85D.2 C105D.2 C106D.2 C108D.2 C109D.2 C110D.2 C111D.2 C114D.1 C137D.2 C141D.2 C142D.2 IC2D.11 IC2D.15 IC2D.21 IC2D.28 IC2D.45 IC2D.56 IC2D.66 IC13D.1 IC13D.14 IC13D.37 L18D.1 | length 85.4
  L1 w0.127: v1(-2.467,-58.254) v1(-2.467,-58.254) ; C109D.2@-0.6,-76.725 -0.875,-76.45 -0.875,-76.288 -1,-76.163 IC2D.11@-1,-75.2 -1,-73.301 -0.698,-72.999 0.897,-72.999 1.111,-73.214 1.111,-73.453 ; C110D.2@1.2,-76.725 1.025,-76.55 1.025,-75.225 IC2D.15@1,-75.2 1.111,-75.089 1.111,-73.453 ; v1(3.883,-57.696) 3.9,-57.713 C106D.2@3.9,-58.253 C106D.2@3.9,-58.321 ; C111D.2@3.9,-76.7 4,-76.6 IC2D.21@4,-75.2 4,-73.628 3.697,-73.324 ; IC2D.45@7.7,-64 C105D.2@9.175,-64 9.753,-64 9.85,-63.903 10.425,-63.903 ; 8.976,-72.484 8.96,-72.5 IC2D.28@7.7,-72.5 7.684,-72.516 4.68,-72.516 4.665,-72.5 4.521,-72.5 3.697,-73.324 ; 9.752,-61.053 9.95,-61.053 10.7,-61.803 10.7,-63.628 ; C114D.1@10.145,-75.399 9.427,-74.682 C85D.2@9.427,-72.936 9.427,-72.426 9.574,-72.426 10.145,-71.854 10.806,-71.854 11.15,-71.51 11.15,-71.103 ; C137D.2@13,-62.978 13,-63.603 ; IC13D.1@14.19,-63.75 13.097,-63.75 13,-63.653 13,-63.603 ; v1(15.084,-69.456) 15.084,-69.989 14.827,-70.246 14.827,-70.25 IC13D.14@14.19,-70.25 13.087,-70.25 12.994,-70.343 C142D.2@12.994,-70.497 12.994,-71.099 v1(12.99,-71.103) 11.15,-71.103 ; v1(20.634,-59.292) 21.247,-59.292 L18D.1@21.548,-58.991 ; v1@22.425,-69.083 22.518,-69.176 22.518,-69.184 22.488,-69.215 22.453,-69.25 IC13D.37@23.09,-69.25 24.243,-69.25 24.32,-69.173 C141D.2@24.34,-69.153 ; 1.111,-73.453 1.24,-73.324 3.697,-73.324 ; 10.425,-63.903 10.425,-66.063 9.598,-66.89 9.598,-69.961 9.931,-70.294 10.341,-70.294 10.58,-70.532 10.58,-70.665 11.018,-71.103 11.15,-71.103 ; 10.425,-63.903 10.7,-63.628 ; 10.7,-63.628 10.85,-63.778 12.825,-63.778 13,-63.603
  L1 w0.254: v1(-2.467,-58.254) -1.727,-58.254 C108D.2@-1.725,-58.253 -1.5,-58.478 IC2D.66@-1.5,-59.8 ; C106D.2@3.9,-58.321 3.5,-58.721 IC2D.56@3.5,-59.8 3.5,-61.213 4.218,-61.932 5.259,-61.932 5.285,-61.906 5.597,-61.906 6.573,-60.929 8.937,-60.929 8.99,-60.982 9.752,-60.982
  L3 w0.127: v1(20.634,-59.292) 20.634,-60.031 21.369,-60.766 21.369,-62.063 20.779,-62.653 20.779,-64.042 21.529,-64.792 21.529,-68.292 22.261,-69.024 v1(22.298,-69.024)
  L4 w0.406: v1(-2.467,-58.254) -2.464,-58.258 3.32,-58.258 v1(3.883,-57.696)
  other v1: 13,-71.653 21.739,-69.006 20,-59.553